# Altium PCB HIVE_BOARD.PcbDoc (part 8 of 9)
Units mm, origin at the board's own origin, x right, y up, seen from the top; angles counter-clockwise.
Board outline 110 x 110 mm, 8 copper layers (Top, GND_1, Signal_1, GND_2, PWR, Signal_2, GND_3, Bottom), stack 1.6 mm thick; 674 components, 473 nets, 2528 pads, 2100 vias.
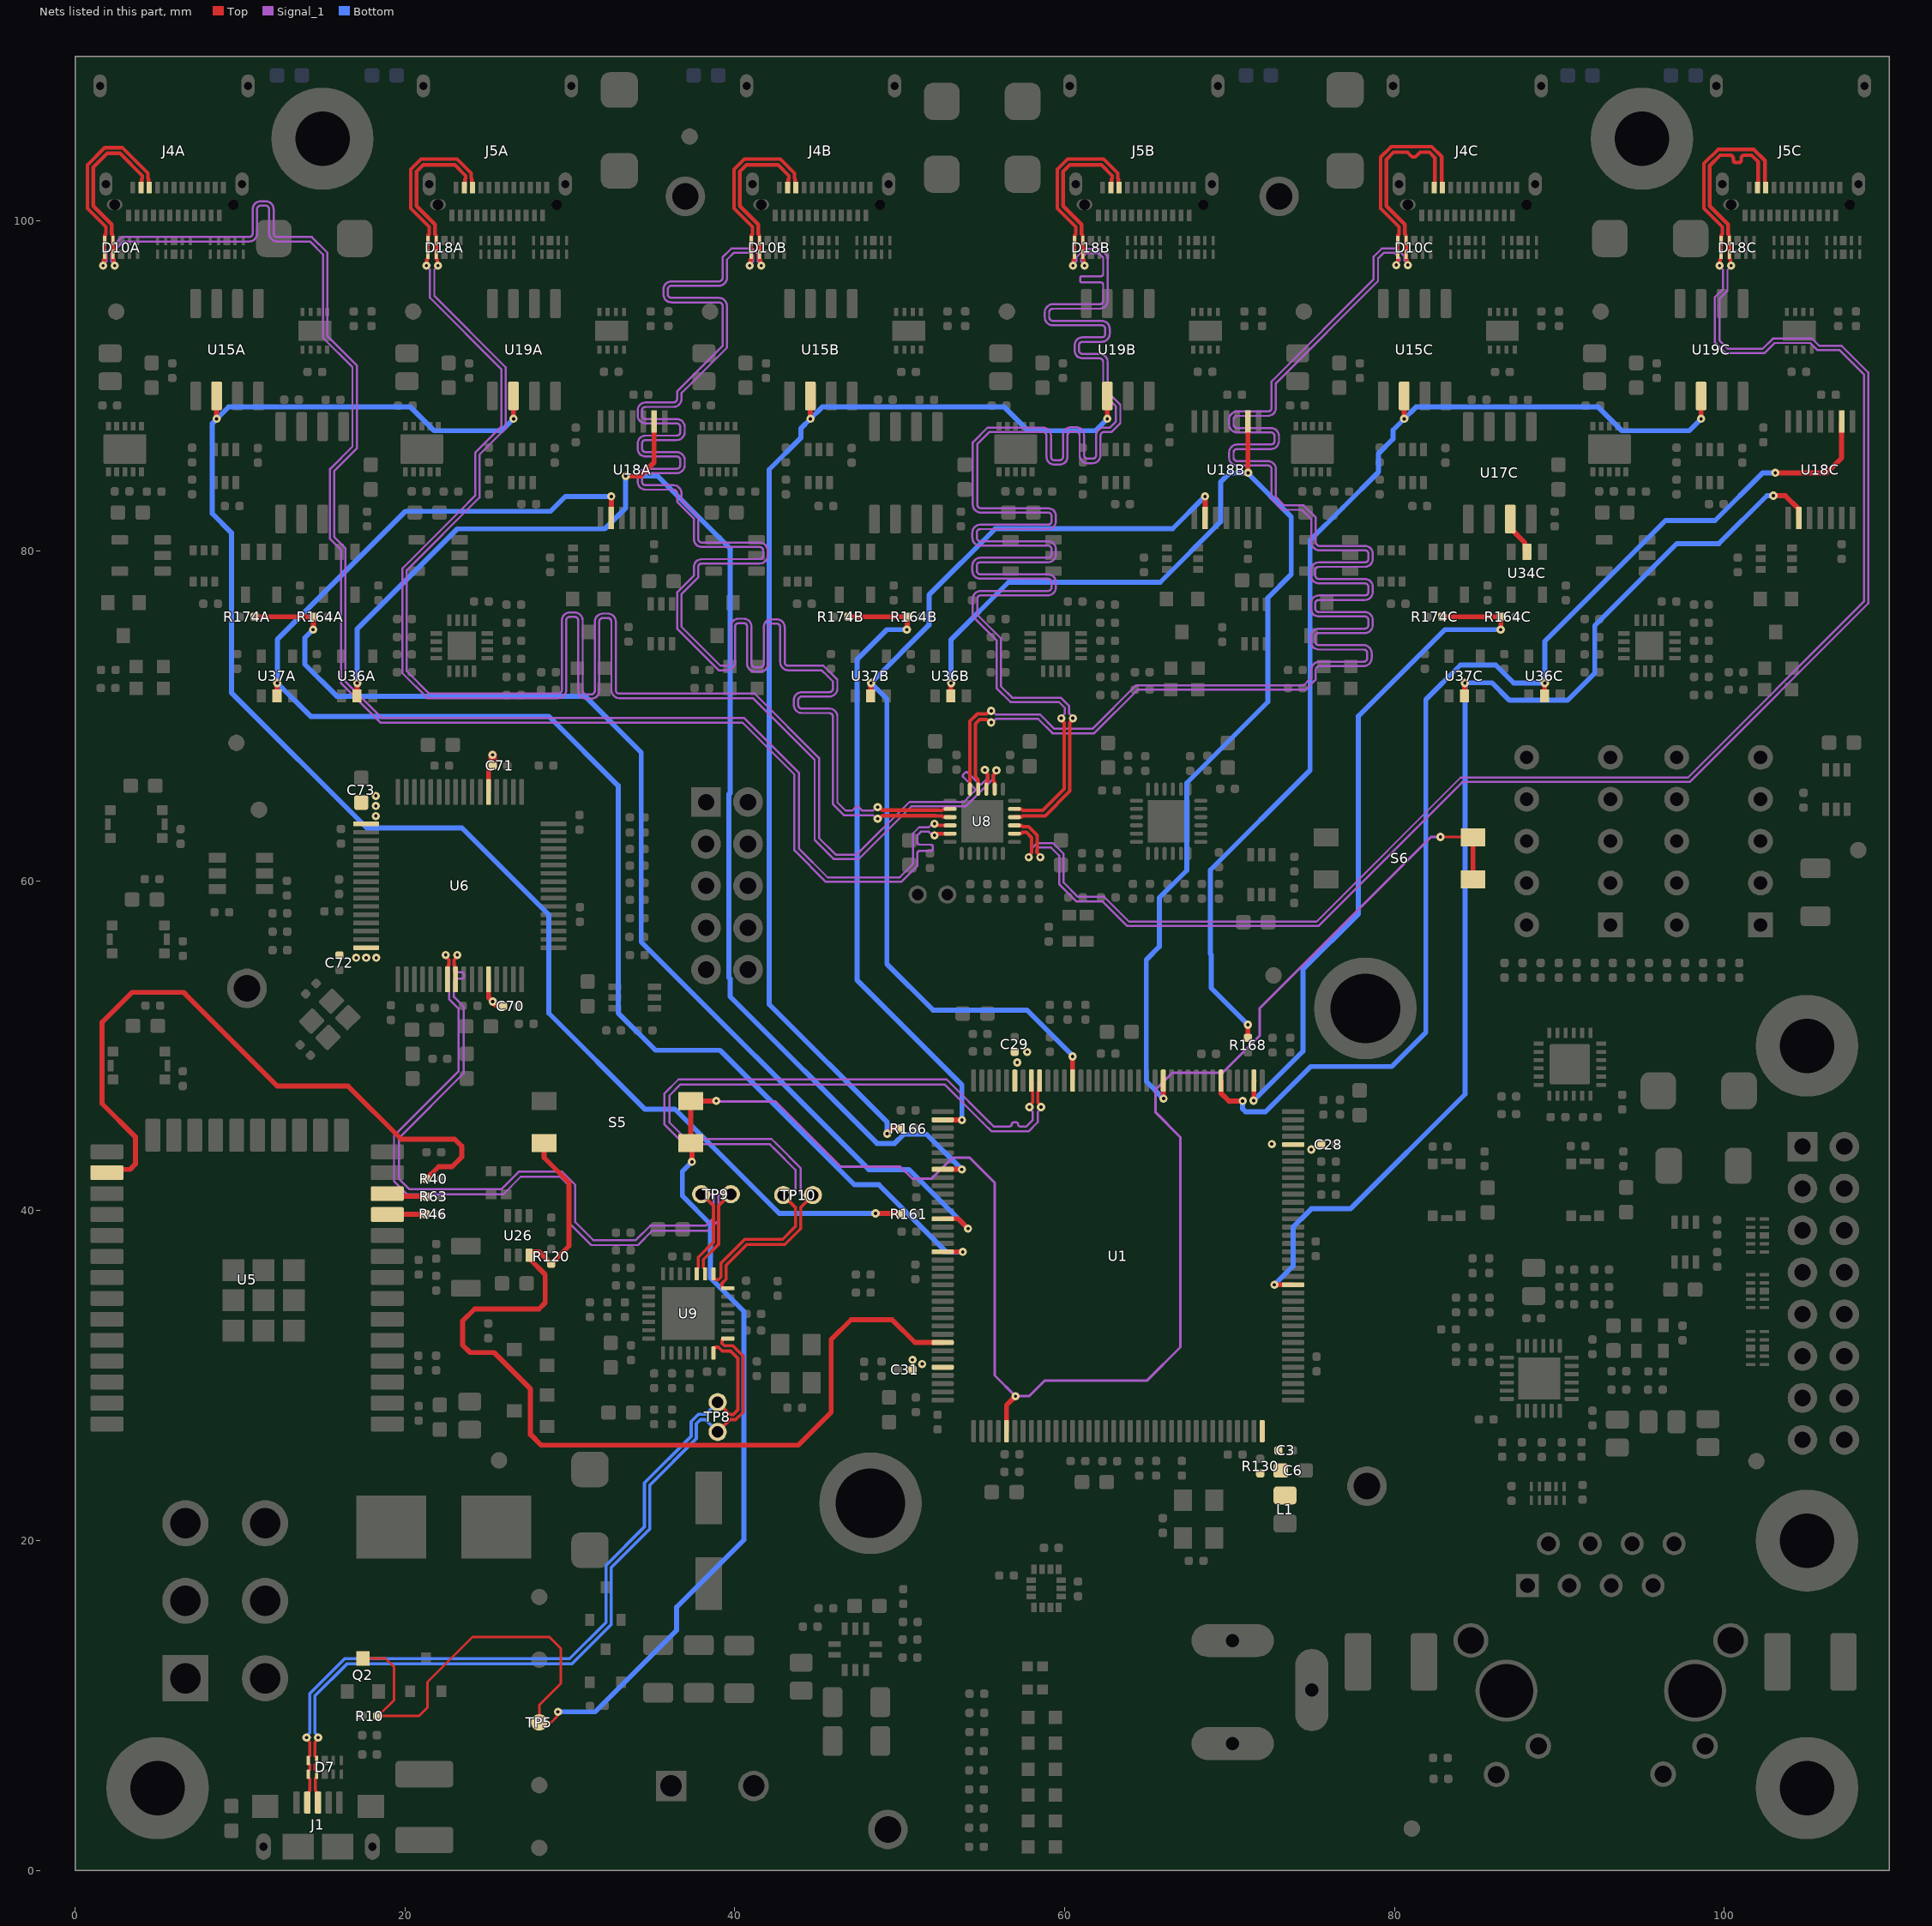
[diagram p14: the nets of this part, all layers, seen from the top]

## Via types
v1: diameter 0.5, hole 0.2, Top to Bottom, tented both sides, 1950 vias
v2: diameter 0.55, hole 0.2, Top to Bottom, tented both sides, 104 vias
v3: diameter 0.5, hole 0.2, Top to Bottom, 41 vias
v4: diameter 0.5, hole 0.2, Top to Bottom, tented bottom, 5 vias

## Nets (pads, with @x,y where several pads share a name; then routed paths per layer and width w, separated by ;. In a path a pad name is that pad's centre, name@x,y a point inside that pad or via, vN(x,y) a via of type N, cw(c..) or ccw(c..) an arc to the next point about the centre after c; other vN are vias at no path point) (continued)
SPI_MISO_1C: U17C.7 U34C.2 | length 2.4
  Top w0.305: U17C.7@87.01,81.942 87.01,81.392 87.9,80.501 87.9,80.08 U34C.2@88.023,79.958
SPI_MISO_A: R164A.2 R174A.2 U1.122 | length 69.6
  Top w0.305: R174A.2@10.879,76.016 R164A.2@14.448,76.016 14.448,75.233 v1(14.43,75.233) ; U1.122@52.601,39.514 53.546,39.514 v1(54.142,38.918)
  Bottom w0.305: v1(14.43,75.233) 13.934,74.737 13.934,73.134 15.869,71.199 30.917,71.199 34.328,67.789 34.328,56.294 48.121,42.501 50.559,42.501 51.256,41.805 v1(54.142,38.918)
SPI_MISO_B: R164B.2 R174B.2 U1.110 | length 39.9
  Top w0.305: R174B.2@46.879,76.016 R164B.2@50.448,76.016 50.448,75.233 v1(50.43,75.233) ; U1.110@52.601,45.514 52.604,45.512 53.76,45.512 v1(53.768,45.504)
  Bottom w0.305: v1(50.43,75.233) 49.22,75.233 47.422,73.435 47.422,53.974 53.768,47.628 v1(53.768,45.504)
SPI_MISO_C: R164C.2 R174C.2 U1.74 | length 42.3
  Top w0.305: v1(71.452,46.677) 71.474,46.698 71.474,47.887 U1.74@71.476,47.889 ; R174C.2@82.879,76.016 R164C.2@86.448,76.016 86.448,75.233 v1(86.43,75.233)
  Bottom w0.305: v1(71.452,46.677) 74.44,49.664 74.44,54.634 77.807,58.001 77.807,69.99 83.051,75.233 v1(86.43,75.233)
SPI_MOSI_A: R161.1 U15A.2 U19A.2 | length 96.4
  Top w0.305: U15A.2@8.581,89.402 8.583,89.4 8.583,88.016 v1(8.585,88.014) ; v1@26.581,88.018 U19A.2@26.581,89.402 ; v1(48.529,39.839) 50.064,39.839 R161.1@50.104,39.799
  Bottom w0.305: v1@26.585,88.014 25.866,87.295 21.774,87.295 20.339,88.731 9.301,88.731 v1(8.585,88.014) 8.585,87.998 8.325,87.738 8.325,82.264 9.481,81.108 9.481,71.411 17.686,63.206 23.461,63.206 28.722,57.945 28.722,51.982 34.539,46.166 36.366,46.166 42.693,39.839 v1(48.529,39.839)
  other v1: 26.583,88.016
SPI_MOSI_B: R166.2 U15B.2 U19B.2 | length 70.3
  Top w0.305: U15B.2@44.581,89.402 44.583,89.4 44.583,88.016 v1(44.585,88.014) ; v1(49.239,44.675) v1@49.247,44.675 ; v1@49.296,44.675 v1@49.247,44.675 ; R166.2@50.078,44.986 R166.2@50.076,44.983 49.555,44.983 v1@49.247,44.675 ; U19B.2@62.581,89.402 62.583,89.4 62.583,88.016 v1(62.585,88.014)
  Bottom w0.305: v1(49.239,44.675) 49.239,45.357 42.081,52.515 42.081,84.947 44.016,86.882 44.016,87.445 v1(44.585,88.014) 45.301,88.731 56.339,88.731 57.774,87.295 61.866,87.295 v1(62.585,88.014)
SPI_MOSI_C: R168.1 U15C.2 U19C.2 | length 65.3
  Top w0.305: R168.1@71.108,50.486 v1@71.108,51.275 ; U15C.2@80.581,89.402 U15C.2@80.581,89.402 80.583,88.016 v1(80.585,88.014) ; U19C.2@98.581,89.402 98.583,89.4 98.583,88.016 v1(98.585,88.014)
  Bottom w0.305: v1(71.111,51.278) 68.881,53.508 68.881,55.519 68.837,55.563 68.837,60.661 74.878,66.702 74.878,80.649 76.862,82.633 79.033,84.804 79.033,85.917 79.909,86.794 79.909,87.339 v1(80.585,88.014) 81.301,88.731 92.339,88.731 93.774,87.295 97.866,87.295 v1(98.585,88.014)
SPI_nCS_0A: U1.126 U18A.2 U37A.2 | length 93.7
  Top w0.305: U37A.2@12.243,71.215 v1@12.243,71.998 ; U18A.2@32.505,82 32.512,82.007 v1(32.512,83.312) ; U1.126@52.601,37.514 52.604,37.512 53.818,37.512 v1(53.822,37.508)
  Bottom w0.305: v1(32.512,83.312) 29.732,83.312 28.824,82.404 20.033,82.404 12.26,74.631 v1(12.26,71.998) 14.282,69.977 28.723,69.977 32.925,65.775 32.925,52 35.192,49.733 39.101,49.733 47.259,41.575 48.739,41.575 52.806,37.508 v1(53.822,37.508)
SPI_nCS_0B: U1.96 U18B.2 U37B.2 | length 60.6
  Top w0.305: U37B.2@48.243,71.215 v1@48.243,71.998 ; U1.96@60.476,47.889 60.477,47.891 v1(60.477,49.352) ; U18B.2@68.505,82 68.512,82.007 v1(68.512,83.312)
  Bottom w0.305: v1(60.477,49.352) 60.477,49.403 57.721,52.16 52.021,52.16 49.219,54.961 49.219,71.039 v1(48.26,71.998) 51.774,75.512 51.774,77.334 55.79,81.35 66.55,81.35 v1(68.512,83.312)
SPI_nCS_0C: U1.51 U18C.2 U37C.2 | length 73
  Top w0.305: v1@72.713,35.514 U1.51@73.851,35.514 U1.51@73.853,35.512 ; U37C.2@84.243,71.215 v1@84.243,71.998 ; v1(102.966,83.358) 103.686,83.358 104.482,82.561 104.482,82.022 U18C.2@104.505,82
  Bottom w0.305: v1(72.71,35.511) 73.842,36.644 73.842,39.008 74.951,40.118 77.324,40.118 84.271,47.064 v1@84.271,72.008 ; v1(84.26,71.998) v1@84.271,72.008 ; v1(102.966,83.358) 102.573,83.358 99.668,80.453 97.112,80.453 92.138,75.479 92.138,72.598 90.489,70.949 86.97,70.949 85.911,72.008 v1@84.271,72.008
SPI_nCS_1A: U1.116 U18A.9 U36A.2 | length 85.2
  Top w0.305: U36A.2@17.094,71.215 v1@17.094,71.998 ; v1(33.382,84.536) 34.277,84.536 35.105,85.364 U18A.9@35.105,87.85 ; U1.116@52.601,42.514 52.604,42.512 53.757,42.512 v1(53.764,42.505)
  Bottom w0.305: v1(17.112,71.998) 17.112,75.279 23.176,81.343 32.11,81.343 33.382,82.615 v1(33.382,84.536) 35.33,84.536 39.711,80.155 39.711,65.321 39.645,65.255 39.645,54.139 39.711,54.073 39.711,52.99 48.615,44.086 49.691,44.086 50.245,44.64 51.628,44.64 v1(53.764,42.505)
SPI_nCS_1B: U1.85 U18B.9 U36B.2 | length 74.3
  Top w0.305: U36B.2@53.094,71.215 v1@53.094,71.998 ; U1.85@65.976,47.889 65.979,47.887 65.979,46.816 v1(65.994,46.801) ; U18B.9@71.105,87.85 71.105,84.752 v1(71.119,84.738)
  Bottom w0.305: v1(53.112,71.998) 53.112,74.628 56.59,78.106 65.789,78.106 69.45,81.768 69.45,84.179 70.01,84.738 v1(71.119,84.738) 71.119,84.69 73.733,82.075 73.733,78.583 72.312,77.161 72.312,70.849 67.401,65.938 67.401,60.639 65.734,58.972 65.734,56.008 64.948,55.222 64.948,47.847 v1(65.994,46.801)
SPI_nCS_1C: U1.78 U18C.9 U36C.2 | length 72.8
  Top w0.305: U1.78@69.476,47.889 69.476,47.135 69.952,46.66 v1(70.79,46.66) ; U36C.2@89.094,71.215 v1@89.094,71.998 ; v1(103.079,84.74) 106.202,84.74 107.105,85.642 U18C.9@107.105,87.85
  Bottom w0.305: v1(70.79,46.66) 70.79,46.178 70.968,45.999 72.173,45.999 74.914,48.741 79.83,48.741 81.897,50.807 81.897,71.001 83.984,73.089 86.13,73.089 87.22,71.998 v1(89.112,71.998) 89.112,74.524 96.432,81.843 99.426,81.843 102.322,84.74 v1(103.079,84.74)
SYNC_0A_N: D10A.5 D10A.6 J4A.B3 U8.4 | length 105.4
  Top w0.216: v1(1.699,97.305) 1.729,97.335 1.729,97.654 D10A.6@1.8,97.725 ; 1.808,97.652 1.808,97.975 D10A.6@1.8,97.982 D10A.5@1.8,98.817 1.808,98.825 1.808,99.148 1.879,99.219 1.879,99.656 0.759,100.775 0.759,103.408 1.806,104.455 2.864,104.455 4.421,102.897 4.421,102.576 4.458,102.54 4.458,102.082 J4A.B3@4.5,102.04 ; v1(52.105,63.464) 52.195,63.464 52.296,63.363 U8.4@53.054,63.363
  Signal_1 w0.127: v1(1.699,97.305) 1.699,97.348 1.917,97.566 1.917,98.119 2.833,99.035 10.349,99.035 10.546,99.035 ccw(c10.546,99.256) 10.767,99.256 10.767,100.721 cw(c11.255,100.721) 11.255,101.209 11.549,101.209 cw(c11.549,100.721) 12.037,100.721 12.037,99.256 ccw(c12.258,99.256) 12.258,99.035 12.987,99.035 14.35,99.035 15.305,98.08 15.305,93.035 17.083,91.257 17.083,86.224 15.723,84.865 15.723,80.843 16.384,80.183 16.384,72.1 18.616,69.868 40.572,69.868 43.881,66.558 43.881,61.96 45.634,60.208 49.99,60.208 50.808,61.026 50.808,62.887 51.167,63.246 51.762,63.246 v1@51.98,63.464
SYNC_0A_P: D10A.4 D10A.7 J4A.B2 U8.5 | length 105.4
  Top w0.216: v1(2.401,97.305) 2.371,97.335 2.371,97.654 2.3,97.725 D10A.7@2.3,97.982 D10A.4@2.3,98.817 2.292,98.825 2.292,99.148 2.221,99.219 2.221,99.798 1.102,100.917 1.102,103.266 1.948,104.112 2.722,104.112 4.078,102.755 4.078,102.576 4.042,102.54 4.042,102.082 J4A.B2@4,102.04 ; v1(52.105,62.762) 52.195,62.762 52.296,62.863 U8.5@53.054,62.863
  Signal_1 w0.127: v1(2.401,97.305) 2.401,97.348 2.183,97.566 2.183,98.008 2.943,98.768 10.349,98.768 10.546,98.768 ccw(c10.546,99.256) 11.034,99.256 11.034,100.721 cw(c11.255,100.721) 11.255,100.942 11.549,100.942 cw(c11.549,100.721) 11.77,100.721 11.77,99.256 ccw(c12.258,99.256) 12.258,98.768 12.987,98.768 14.239,98.768 15.038,97.969 15.038,92.925 16.816,91.146 16.816,86.335 15.457,84.975 15.457,80.733 16.117,80.072 16.117,71.99 18.506,69.601 40.461,69.601 43.615,66.447 43.615,61.85 45.523,59.942 50.1,59.942 51.074,60.915 51.074,61.244 51.074,61.688 cw(c51.201,61.688) 51.201,61.815 51.891,61.815 ccw(c51.891,61.929) 52.005,61.929 52.005,62.082 ccw(c51.891,62.082) 51.891,62.196 51.201,62.196 cw(c51.201,62.323) 51.074,62.323 51.074,62.515 51.074,62.776 51.278,62.98 51.762,62.98 v1@51.98,62.762
SYNC_0B_N: D10B.5 D10B.6 J4B.B3 U8.2 | length 106.5
  Top w0.216: v1(40.899,97.305) 40.929,97.336 40.929,97.655 41,97.726 D10B.6@41,97.983 ; 41.008,97.652 41.008,97.975 D10B.6@41,97.983 ; J4B.B3@43.7,102.04 43.658,102.082 43.658,102.54 43.621,102.577 43.621,102.898 42.764,103.755 40.568,103.755 39.959,103.146 39.959,100.776 41.079,99.656 41.079,99.219 41.008,99.149 41.008,98.826 D10B.5@41,98.817 D10B.6@41,97.983 ; v1(48.661,64.471) 48.751,64.471 48.931,64.292 52.323,64.292 52.33,64.284 52.566,64.284 52.638,64.356 53.047,64.356 U8.2@53.054,64.363
  Signal_1 w0.127: v1(40.899,97.305) 40.899,97.348 41.117,97.566 41.117,97.913 40.957,98.073 39.929,98.073 39.523,97.667 39.523,97.146 39.523,96.568 cw(c39.035,96.568) 39.035,96.08 36.158,96.08 ccw(c36.158,95.859) 35.937,95.859 35.937,95.565 ccw(c36.158,95.565) 36.158,95.344 39.035,95.344 cw(c39.035,94.856) 39.523,94.856 39.523,94.659 39.523,92.327 37.028,89.832 36.764,89.568 36.764,89.225 cw(c36.276,89.225) 36.276,88.737 34.594,88.737 ccw(c34.594,88.516) 34.373,88.516 34.373,88.221 ccw(c34.594,88.221) 34.594,88 36.477,88 cw(c36.477,87.513) 36.964,87.513 36.964,87.218 cw(c36.477,87.218) 36.477,86.73 34.594,86.73 ccw(c34.594,86.509) 34.373,86.509 34.373,86.215 ccw(c34.594,86.215) 34.594,85.994 36.477,85.994 cw(c36.477,85.506) 36.964,85.506 36.964,85.211 cw(c36.477,85.211) 36.477,84.724 34.594,84.724 ccw(c34.594,84.503) 34.373,84.503 34.373,84.208 ccw(c34.594,84.208) 34.594,83.987 36.276,83.987 cw(c36.276,83.499) 36.764,83.499 36.764,83.303 36.764,83.099 37.781,82.082 37.781,80.93 37.781,80.733 ccw(c38.002,80.733) 38.002,80.512 41.501,80.512 cw(c41.501,80.024) 41.988,80.024 41.988,79.729 cw(c41.501,79.729) 41.501,79.242 38.002,79.242 ccw(c38.002,79.021) 37.781,79.021 37.781,78.395 37.725,78.339 36.764,77.378 36.764,75.412 39.136,73.04 39.327,73.04 39.524,73.04 ccw(c39.524,73.261) 39.745,73.261 39.745,75.409 cw(c40.233,75.409) 40.233,75.896 40.528,75.896 cw(c40.528,75.409) 41.015,75.409 41.015,73.169 ccw(c41.236,73.169) 41.236,72.948 41.531,72.948 ccw(c41.531,73.169) 41.752,73.169 41.752,75.378 cw(c42.24,75.378) 42.24,75.866 42.534,75.866 cw(c42.534,75.378) 43.022,75.378 43.022,73.261 ccw(c43.243,73.261) 43.243,73.04 44.416,73.04 45.375,73.04 46.011,72.404 46.218,72.197 46.218,71.667 cw(c45.73,71.667) 45.73,71.179 44.068,71.179 ccw(c44.068,70.958) 43.847,70.958 43.847,70.663 ccw(c44.068,70.663) 44.068,70.442 45.73,70.442 cw(c45.73,69.955) 46.218,69.955 46.218,69.758 46.218,64.76 46.724,64.254 47.117,64.254 47.231,64.368 47.231,64.376 47.345,64.49 47.498,64.49 47.612,64.376 47.612,64.368 47.726,64.254 48.171,64.254 48.375,64.254 48.593,64.471 v1(48.661,64.471)
SYNC_0B_P: D10B.4 D10B.7 J4B.B2 U8.3 | length 106.5
  Top w0.216: 41.492,97.652 41.492,97.975 D10B.7@41.5,97.983 ; v1(41.601,97.305) 41.571,97.336 41.571,97.655 41.5,97.726 D10B.7@41.5,97.983 ; J4B.B2@43.2,102.04 43.242,102.082 43.242,102.54 43.278,102.577 43.278,102.756 42.622,103.412 40.71,103.412 40.302,103.004 40.302,100.918 41.422,99.798 41.422,99.219 41.492,99.149 41.492,98.826 D10B.4@41.5,98.817 D10B.7@41.5,97.983 ; v1(48.661,63.769) 48.751,63.769 48.931,63.949 52.181,63.949 52.188,63.942 52.566,63.942 52.638,63.869 53.047,63.869 U8.3@53.054,63.863
  Signal_1 w0.127: v1(41.601,97.305) 41.601,97.348 41.383,97.566 41.383,98.024 41.068,98.34 39.791,98.34 39.256,97.804 39.256,97.146 39.256,96.568 cw(c39.035,96.568) 39.035,96.347 36.158,96.347 ccw(c36.158,95.859) 35.671,95.859 35.671,95.565 ccw(c36.158,95.565) 36.158,95.077 39.035,95.077 cw(c39.035,94.856) 39.256,94.856 39.256,94.659 39.256,92.437 36.701,89.882 36.497,89.679 36.497,89.225 cw(c36.276,89.225) 36.276,89.004 34.594,89.004 ccw(c34.594,88.516) 34.107,88.516 34.107,88.221 ccw(c34.594,88.221) 34.594,87.734 36.477,87.734 cw(c36.477,87.513) 36.698,87.513 36.698,87.218 cw(c36.477,87.218) 36.477,86.997 34.594,86.997 ccw(c34.594,86.509) 34.107,86.509 34.107,86.215 ccw(c34.594,86.215) 34.594,85.727 36.477,85.727 cw(c36.477,85.506) 36.698,85.506 36.698,85.211 cw(c36.477,85.211) 36.477,84.99 34.594,84.99 ccw(c34.594,84.503) 34.107,84.503 34.107,84.208 ccw(c34.594,84.208) 34.594,83.72 36.276,83.72 cw(c36.276,83.499) 36.497,83.499 36.497,83.303 36.497,82.988 37.514,81.972 37.514,80.93 37.514,80.733 ccw(c38.002,80.733) 38.002,80.245 41.501,80.245 cw(c41.501,80.024) 41.722,80.024 41.722,79.729 cw(c41.501,79.729) 41.501,79.508 38.002,79.508 ccw(c38.002,79.021) 37.514,79.021 37.514,78.505 37.348,78.339 36.497,77.488 36.497,75.302 39.026,72.773 39.327,72.773 39.524,72.773 ccw(c39.524,73.261) 40.012,73.261 40.012,75.409 cw(c40.233,75.409) 40.233,75.63 40.528,75.63 cw(c40.528,75.409) 40.749,75.409 40.749,73.169 ccw(c41.236,73.169) 41.236,72.681 41.531,72.681 ccw(c41.531,73.169) 42.019,73.169 42.019,75.378 cw(c42.24,75.378) 42.24,75.599 42.534,75.599 cw(c42.534,75.378) 42.755,75.378 42.755,73.261 ccw(c43.243,73.261) 43.243,72.773 44.416,72.773 45.265,72.773 45.634,72.404 45.951,72.087 45.951,71.667 cw(c45.73,71.667) 45.73,71.446 44.068,71.446 ccw(c44.068,70.958) 43.58,70.958 43.58,70.663 ccw(c44.068,70.663) 44.068,70.176 45.73,70.176 cw(c45.73,69.955) 45.951,69.955 45.951,69.758 45.951,64.649 46.613,63.987 48.375,63.987 48.593,63.769 v1(48.661,63.769)
SYNC_0C_N: D10C.5 D10C.6 J4C.B3 U8.22 | length 106.5
  Top w0.216: U8.22@54.754,65.563 54.747,65.569 54.747,66.157 54.597,66.307 54.597,69.532 54.848,69.783 55.273,69.783 55.453,69.603 v1(55.543,69.603) ; v1(80.099,97.333) 80.099,97.423 80.192,97.516 80.192,97.975 D10C.6@80.2,97.982 D10C.5@80.2,98.817 80.208,98.826 80.208,99.148 80.279,99.219 80.279,99.656 79.16,100.775 79.16,103.879 79.793,104.513 82.256,104.513 82.858,103.911 82.858,102.082 J4C.B3@82.9,102.04
  Signal_1 w0.127: v1(55.543,69.603) 55.611,69.603 55.829,69.821 58.395,69.821 59.265,68.951 61.787,68.951 64.425,71.588 74.599,71.588 75.08,72.069 75.224,72.214 75.224,72.801 cw(c75.445,72.801) 75.445,73.022 78.122,73.022 ccw(c78.122,73.51) 78.609,73.51 78.609,73.804 ccw(c78.122,73.804) 78.122,74.292 75.409,74.292 cw(c75.409,74.513) 75.188,74.513 75.188,74.808 cw(c75.409,74.808) 75.409,75.029 78.195,75.029 ccw(c78.195,75.516) 78.682,75.516 78.682,75.811 ccw(c78.195,75.811) 78.195,76.299 75.409,76.299 cw(c75.409,76.52) 75.188,76.52 75.188,76.814 cw(c75.409,76.814) 75.409,77.035 78.195,77.035 ccw(c78.195,77.523) 78.682,77.523 78.682,77.817 ccw(c78.195,77.817) 78.195,78.305 75.409,78.305 cw(c75.409,78.526) 75.188,78.526 75.188,78.821 cw(c75.409,78.821) 75.409,79.042 78.195,79.042 ccw(c78.195,79.529) 78.682,79.529 78.682,79.824 ccw(c78.195,79.824) 78.195,80.312 75.445,80.312 cw(c75.445,80.533) 75.224,80.533 75.224,80.73 75.224,82.029 74.488,82.766 73.312,82.766 72.808,83.27 72.808,84.765 72.808,84.962 ccw(c72.32,84.962) 72.32,85.449 70.458,85.449 cw(c70.458,85.67) 70.237,85.67 70.237,85.965 cw(c70.458,85.965) 70.458,86.186 72.504,86.186 ccw(c72.504,86.674) 72.992,86.674 72.992,86.968 ccw(c72.504,86.968) 72.504,87.456 70.458,87.456 cw(c70.458,87.677) 70.237,87.677 70.237,87.972 cw(c70.458,87.972) 70.458,88.193 72.32,88.193 ccw(c72.32,88.68) 72.808,88.68 72.808,89.3 72.808,90.174 78.999,96.364 78.999,97.737 79.336,98.074 80.016,98.074 80.317,97.773 80.317,97.619 80.099,97.401 v1(80.099,97.333)
SYNC_0C_P: D10C.4 D10C.7 J4C.B2 U8.23 | length 106.5
  Top w0.216: U8.23@54.254,65.563 54.254,69.674 54.705,70.126 55.273,70.126 55.453,70.306 v1(55.543,70.306) ; v1(80.801,97.333) 80.801,97.423 80.771,97.453 80.771,97.655 80.7,97.725 80.7,97.983 80.7,98.818 80.692,98.826 80.692,99.148 80.622,99.219 80.622,99.798 79.502,100.917 79.502,103.737 79.935,104.17 80.21,104.17 80.788,104.17 80.929,104.029 81.07,103.888 81.258,103.888 81.399,104.029 81.54,104.17 81.908,104.17 82.114,104.17 82.442,103.842 82.442,102.082 J4C.B2@82.4,102.04
  Signal_1 w0.127: v1(55.543,70.306) 55.611,70.306 55.829,70.088 58.505,70.088 59.376,69.217 61.677,69.217 64.314,71.855 74.488,71.855 74.857,72.224 74.958,72.324 74.958,72.801 cw(c75.445,72.801) 75.445,73.289 78.122,73.289 ccw(c78.122,73.51) 78.343,73.51 78.343,73.804 ccw(c78.122,73.804) 78.122,74.025 75.409,74.025 cw(c75.409,74.513) 74.921,74.513 74.921,74.808 cw(c75.409,74.808) 75.409,75.295 78.195,75.295 ccw(c78.195,75.516) 78.416,75.516 78.416,75.811 ccw(c78.195,75.811) 78.195,76.032 75.409,76.032 cw(c75.409,76.52) 74.921,76.52 74.921,76.814 cw(c75.409,76.814) 75.409,77.302 78.195,77.302 ccw(c78.195,77.523) 78.416,77.523 78.416,77.817 ccw(c78.195,77.817) 78.195,78.038 75.409,78.038 cw(c75.409,78.526) 74.921,78.526 74.921,78.821 cw(c75.409,78.821) 75.409,79.308 78.195,79.308 ccw(c78.195,79.529) 78.416,79.529 78.416,79.824 ccw(c78.195,79.824) 78.195,80.045 75.445,80.045 cw(c75.445,80.533) 74.958,80.533 74.958,80.73 74.958,81.919 74.377,82.499 73.202,82.499 72.541,83.16 72.541,84.765 72.541,84.962 ccw(c72.32,84.962) 72.32,85.183 70.458,85.183 cw(c70.458,85.67) 69.97,85.67 69.97,85.965 cw(c70.458,85.965) 70.458,86.453 72.504,86.453 ccw(c72.504,86.674) 72.725,86.674 72.725,86.968 ccw(c72.504,86.968) 72.504,87.189 70.458,87.189 cw(c70.458,87.677) 69.97,87.677 69.97,87.972 cw(c70.458,87.972) 70.458,88.459 72.32,88.459 ccw(c72.32,88.68) 72.541,88.68 72.541,89.3 72.541,90.284 78.732,96.475 78.732,97.847 79.226,98.341 80.126,98.341 80.583,97.884 80.583,97.619 80.801,97.401 v1(80.801,97.333)
SYNC_1A_N: D18A.5 D18A.6 J5A.B3 U8.20 | length 106.5
  Top w0.216: v1(21.299,97.305) 21.329,97.335 21.329,97.654 21.4,97.725 D18A.6@21.4,97.982 D18A.5@21.4,98.817 21.408,98.825 21.408,99.148 21.479,99.219 21.479,99.656 20.359,100.775 20.359,103.146 20.968,103.754 23.164,103.754 24.021,102.897 24.021,102.576 24.058,102.54 24.058,102.082 J5A.B3@24.1,102.04 ; U8.20@55.754,65.563 55.747,65.569 55.747,65.979 55.675,66.051 55.675,66.421 55.862,66.608 v1(55.862,66.698)
  Signal_1 w0.127: v1@21.517,97.333 21.299,97.333 21.299,97.265 21.517,97.047 21.517,95.35 25.846,91.021 25.846,87.545 24.26,85.959 24.26,83.359 23.359,82.457 19.847,78.946 19.847,72.598 21.363,71.082 29.089,71.082 29.286,71.082 ccw(c29.286,71.57) 29.774,71.57 29.774,75.785 cw(c29.995,75.785) 29.995,76.006 30.289,76.006 cw(c30.289,75.785) 30.51,75.785 30.51,71.529 ccw(c30.998,71.529) 30.998,71.041 31.293,71.041 ccw(c31.293,71.529) 31.78,71.529 31.78,75.719 cw(c32.001,75.719) 32.001,75.94 32.296,75.94 cw(c32.296,75.719) 32.517,75.719 32.517,71.57 ccw(c33.005,71.57) 33.005,71.082 33.738,71.082 41.105,71.082 44.841,67.346 44.841,62.492 46.011,61.322 47.506,61.322 50.702,64.519 53.99,64.519 54.322,64.851 55.645,66.174 55.645,66.413 55.862,66.63 v1(55.862,66.698)
SYNC_1A_P: D18A.4 D18A.7 J5A.B2 U8.21 | length 106.5
  Top w0.216: v1(22.001,97.305) 21.971,97.335 21.971,97.654 21.9,97.725 D18A.7@21.9,97.982 D18A.4@21.9,98.817 21.892,98.825 21.892,99.148 21.821,99.219 21.821,99.798 20.702,100.917 20.702,103.004 21.11,103.411 23.022,103.411 23.678,102.755 23.678,102.576 23.642,102.54 23.642,102.082 J5A.B2@23.6,102.04 ; v1(55.16,66.725) 55.16,66.634 55.333,66.462 55.333,66.051 55.261,65.979 55.261,65.569 U8.21@55.254,65.563